# KiCad board data-center-rdimm-ddr5-tester.kicad_pcb (continued)
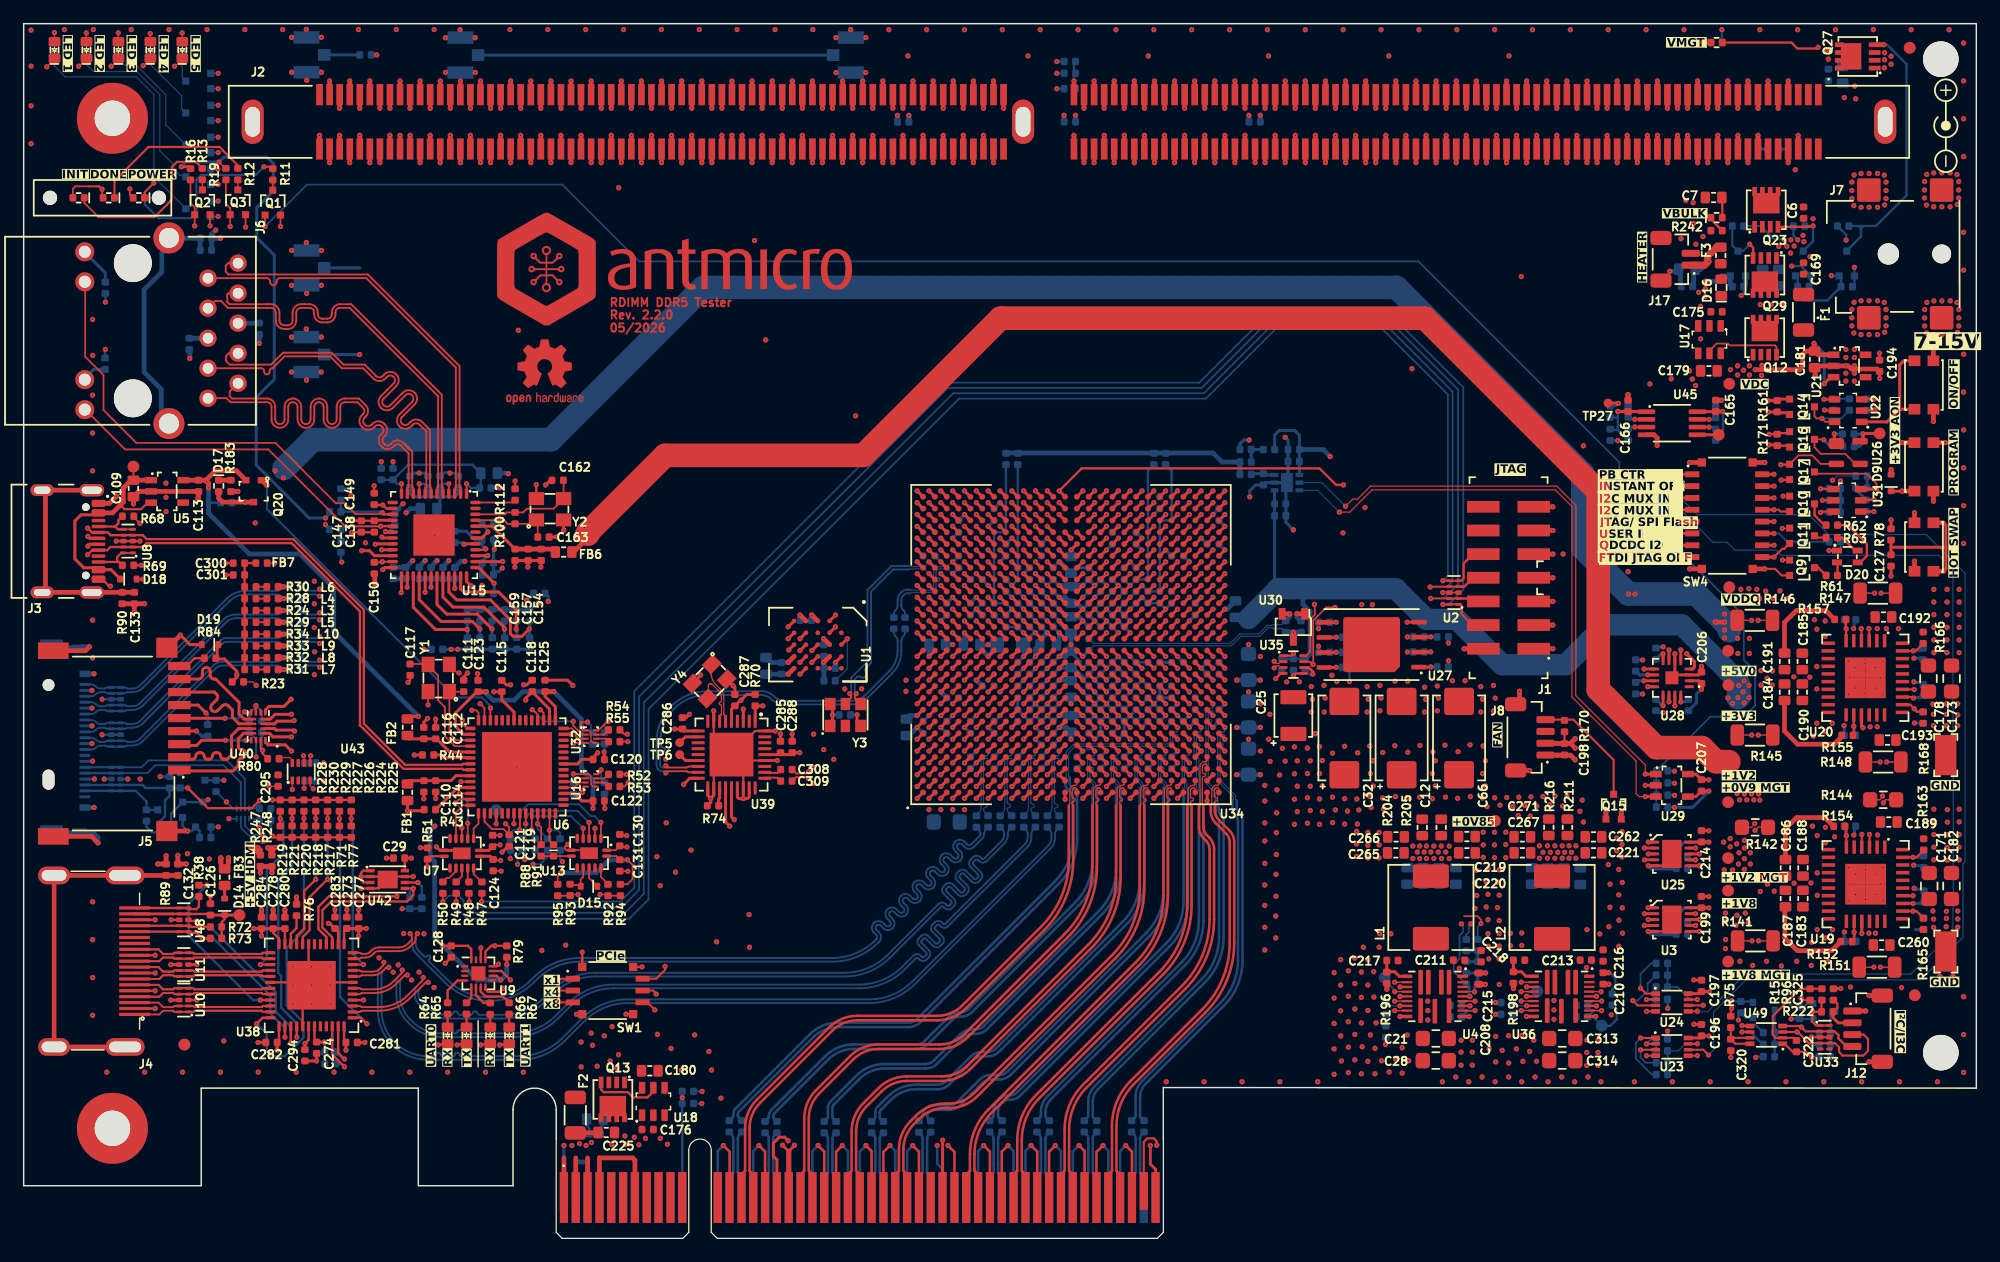
[diagram p0: board, top side]
## Routing (per net, layer and track width the routed paths; a pad name or vN(x,y) marks a point on that pad's centre or on a via; arc(x,y) is an arc through that point) (continued)
  Bottom w0.256: 42.75,50.78 42.75,52.16
/Ethernet/ETH.RXC: length 59.1
  Top w0.256: U15.35 36.93,54.9 37.18,54.65 40.12,54.65 41.62,53.15 v1(41.62,51.5) ; U34.B21 v1(76.5,58.2)
  In9.Cu w0.1: v1(76.5,58.2) 76.47,58.17 76.18,58.17 75.7,58.65 74.85,58.65 73.75,59.75 69.25,59.75 68.7,60.3 67.47,60.3 66.68,61.1 66.47,61.1 arc(66.3,61.03) 66.22,60.85 66.22,60.44 arc(66.15,60.26) 65.97,60.19 arc(65.8,60.26) 65.72,60.44 65.72,60.85 arc(65.65,61.03) 65.47,61.1 arc(65.3,61.03) 65.22,60.85 65.22,60.44 arc(65.15,60.26) 64.97,60.19 arc(64.8,60.26) 64.72,60.44 64.72,60.85 arc(64.65,61.03) 64.47,61.1 arc(64.3,61.03) 64.22,60.85 64.22,60.44 arc(64.15,60.26) 63.97,60.19 arc(63.8,60.26) 63.72,60.44 63.72,60.85 arc(63.65,61.03) 63.47,61.1 arc(63.3,61.03) 63.22,60.85 63.22,60.44 arc(63.15,60.26) 62.97,60.19 arc(62.8,60.26) 62.72,60.44 62.72,60.85 arc(62.65,61.03) 62.47,61.1 arc(62.3,61.03) 62.22,60.85 62.22,60.44 arc(62.15,60.26) 61.97,60.19 arc(61.8,60.26) 61.72,60.44 61.72,60.85 arc(61.65,61.03) 61.47,61.1 arc(61.3,61.03) 61.22,60.85 61.22,60.44 arc(61.15,60.26) 60.97,60.19 arc(60.8,60.26) 60.72,60.44 60.72,60.85 arc(60.65,61.03) 60.47,61.1 53.1,61.1 52.18,60.17 52.18,59.38 45,52.2 42.32,52.2 v1(41.62,51.5)
  Bottom w0.256: 41.65,52.19 41.68,52.16 41.68,50.78
/Ethernet/ETH.RXD0: length 56.9
  Top w0.256: v1(40.62,51.52) 40.62,51.62 38.88,53.37 36.28,53.37 35.43,54.22 U15.32 ; U34.A19 v1(75.5,56.2)
  In9.Cu w0.1: v1(75.5,56.2) 74.66,56.2 72.66,58.2 72.1,58.2 arc(71.92,58.13) 71.85,57.95 71.85,57.77 arc(71.78,57.59) 71.6,57.52 arc(71.42,57.59) 71.35,57.77 71.35,57.95 arc(71.28,58.13) 71.1,58.2 arc(70.92,58.13) 70.85,57.95 70.85,57.77 arc(70.78,57.59) 70.6,57.52 arc(70.42,57.59) 70.35,57.77 70.35,57.95 arc(70.28,58.13) 70.1,58.2 arc(69.92,58.13) 69.85,57.95 69.85,57.77 arc(69.78,57.59) 69.6,57.52 arc(69.42,57.59) 69.35,57.77 69.35,57.95 arc(69.28,58.13) 69.1,58.2 arc(68.92,58.13) 68.85,57.95 68.85,57.77 arc(68.78,57.59) 68.6,57.52 arc(68.42,57.59) 68.35,57.77 68.35,57.95 arc(68.28,58.13) 68.1,58.2 arc(67.92,58.13) 67.85,57.95 67.85,57.77 arc(67.78,57.59) 67.6,57.52 arc(67.42,57.59) 67.35,57.77 67.35,57.95 arc(67.28,58.13) 67.1,58.2 arc(66.92,58.13) 66.85,57.95 66.85,57.77 arc(66.78,57.59) 66.6,57.52 arc(66.42,57.59) 66.35,57.77 66.35,57.95 arc(66.28,58.13) 66.1,58.2 arc(65.92,58.13) 65.85,57.95 65.85,57.77 arc(65.78,57.59) 65.6,57.52 arc(65.42,57.59) 65.35,57.77 65.35,57.95 arc(65.28,58.13) 65.1,58.2 56.1,58.2 53.7,55.8 52.2,55.8 46.6,50.2 41,50.2 40.62,50.57 v1(40.62,51.52)
  Bottom w0.256: 40.65,50.78 40.62,50.81 40.62,52.19
/Ethernet/ETH.RXD1: length 56.4
  Top w0.256: U15.31 34.93,53.6 35.75,52.78 38.32,52.78 v1(39.57,51.52) ; U34.B17 v1(76.5,54.2)
  In9.Cu w0.1: v1(76.5,54.2) 76,54.7 74.4,54.7 72.87,56.23 64.29,56.23 arc(64.1,56.31) 64.01,56.5 64.01,56.52 arc(63.93,56.71) 63.74,56.79 arc(63.55,56.71) 63.47,56.52 63.47,56.5 arc(63.38,56.31) 63.19,56.23 arc(63,56.31) 62.91,56.5 62.91,56.52 arc(62.83,56.71) 62.64,56.79 arc(62.45,56.71) 62.37,56.52 62.37,56.5 arc(62.28,56.31) 62.09,56.23 arc(61.9,56.31) 61.81,56.5 61.81,56.52 arc(61.73,56.71) 61.54,56.79 arc(61.35,56.71) 61.26,56.52 61.26,56.5 arc(61.18,56.31) 60.99,56.23 arc(60.8,56.31) 60.72,56.5 60.72,56.52 arc(60.63,56.71) 60.44,56.79 arc(60.25,56.71) 60.16,56.52 60.16,56.5 arc(60.08,56.31) 59.89,56.23 arc(59.7,56.31) 59.62,56.5 59.62,56.52 arc(59.53,56.71) 59.34,56.79 arc(59.15,56.71) 59.06,56.52 59.06,56.5 arc(58.98,56.31) 58.79,56.23 arc(58.6,56.31) 58.51,56.5 58.51,56.52 arc(58.43,56.71) 58.24,56.79 arc(58.05,56.71) 57.97,56.52 57.97,56.5 arc(57.88,56.31) 57.69,56.23 57.48,56.23 55.05,53.8 52.7,53.8 48.1,49.2 40.5,49.2 39.57,50.12 v1(39.57,51.52)
  Bottom w0.256: 39.6,50.78 39.57,50.81 39.57,52.19
/Ethernet/ETH.RXD2: length 56.6
  Top w0.256: U34.C17 v1(77.5,54.2) ; v1(38.54,51.53) 37.91,52.16 35.27,52.16 33.43,54 U15.28
  In9.Cu w0.1: v1(38.54,51.53) 38.54,49.66 40,48.2 49.2,48.2 52.85,51.85 56.75,51.85 57.16,52.26 arc(57.25,52.3) 57.34,52.26 arc(57.42,52.22) 57.51,52.26 57.8,52.54 arc(57.83,52.63) 57.8,52.72 57.62,52.9 arc(57.58,52.98) 57.62,53.07 57.9,53.36 arc(57.99,53.39) 58.08,53.36 58.26,53.18 arc(58.34,53.14) 58.43,53.18 58.71,53.46 arc(58.75,53.55) 58.71,53.64 58.54,53.81 arc(58.5,53.9) 58.54,53.99 58.82,54.28 arc(58.91,54.31) 59,54.28 arc(59.09,54.24) 59.18,54.27 59.79,54.89 72.21,54.89 73.42,53.68 76.98,53.68 v1(77.5,54.2)
  Bottom w0.256: 38.55,52.19 38.55,50.78
/Ethernet/ETH.RXD3: length 54.4
  Top w0.256: v1(37.47,51.47) 37.47,51.48 34.8,51.48 32.93,53.35 U15.27 ; U34.A15 v1(75.5,52.2)
  In9.Cu w0.1: v1(75.5,52.2) 74.99,52.2 74.83,52.04 72.8,52.04 71.32,53.52 61.32,53.52 57.7,49.9 53,49.9 50.3,47.2 39.57,47.2 37.47,49.3 v1(37.47,51.47)
  Bottom w0.256: 37.5,52.19 37.5,50.78
/Ethernet/ETH.TX_CTL: length 71.4
  Top w0.256: U34.D21 v1(78.5,58.2) ; U15.25 31.93,54.63 v1(31.9,54.6)
  In9.Cu w0.1: v1(31.9,54.6) 31.9,55.77 32.53,56.4 32.62,56.4 arc(32.78,56.33) 32.85,56.17 32.85,55.92 arc(32.92,55.77) 33.07,55.7 arc(33.23,55.77) 33.3,55.92 33.3,56.17 arc(33.37,56.33) 33.53,56.4 arc(33.68,56.33) 33.75,56.17 33.75,55.92 arc(33.82,55.77) 33.97,55.7 arc(34.13,55.77) 34.2,55.92 34.2,56.17 arc(34.27,56.33) 34.43,56.4 arc(34.58,56.33) 34.65,56.17 34.65,55.92 arc(34.72,55.77) 34.88,55.7 arc(35.03,55.77) 35.1,55.92 35.1,56.17 arc(35.17,56.33) 35.32,56.4 arc(35.48,56.33) 35.55,56.17 35.55,55.92 arc(35.62,55.77) 35.78,55.7 arc(35.93,55.77) 36,55.92 36,56.17 arc(36.07,56.33) 36.22,56.4 36.35,56.4 37.15,55.6 37.15,54.7 37.65,54.2 41.8,54.2 42.05,54.45 46.25,54.45 51.43,59.62 51.43,60.85 52.6,62.02 52.88,62.02 arc(53.01,62.08) 53.06,62.21 arc(53.12,62.35) 53.25,62.4 53.49,62.4 arc(53.62,62.35) 53.68,62.21 53.68,61.84 arc(53.73,61.7) 53.86,61.65 54.09,61.65 arc(54.22,61.7) 54.28,61.84 54.28,62.21 arc(54.33,62.35) 54.46,62.4 54.69,62.4 arc(54.82,62.35) 54.88,62.21 54.88,61.84 arc(54.93,61.7) 55.06,61.65 55.29,61.65 arc(55.42,61.7) 55.47,61.84 55.47,62.21 arc(55.53,62.35) 55.66,62.4 55.89,62.4 arc(56.02,62.35) 56.07,62.21 56.07,61.84 arc(56.13,61.7) 56.26,61.65 56.49,61.65 arc(56.62,61.7) 56.68,61.84 56.68,62.21 arc(56.73,62.35) 56.86,62.4 57.09,62.4 arc(57.22,62.35) 57.28,62.21 57.28,61.84 arc(57.33,61.7) 57.46,61.65 57.69,61.65 arc(57.82,61.7) 57.88,61.84 57.88,62.21 arc(57.93,62.35) 58.06,62.4 58.29,62.4 arc(58.42,62.35) 58.47,62.21 58.47,61.84 arc(58.53,61.7) 58.66,61.65 58.89,61.65 arc(59.02,61.7) 59.07,61.84 59.07,62.21 arc(59.13,62.35) 59.26,62.4 59.49,62.4 arc(59.62,62.35) 59.68,62.21 59.68,61.84 arc(59.73,61.7) 59.86,61.65 60.09,61.65 arc(60.22,61.7) 60.28,61.84 60.28,62.21 arc(60.33,62.35) 60.46,62.4 60.69,62.4 arc(60.82,62.35) 60.88,62.21 60.88,61.84 arc(60.93,61.7) 61.06,61.65 61.29,61.65 arc(61.42,61.7) 61.47,61.84 61.47,62.21 arc(61.53,62.35) 61.66,62.4 61.89,62.4 arc(62.02,62.35) 62.07,62.21 62.07,61.84 arc(62.13,61.7) 62.26,61.65 62.49,61.65 arc(62.62,61.7) 62.68,61.84 62.68,62.21 arc(62.73,62.35) 62.86,62.4 63.09,62.4 arc(63.22,62.35) 63.28,62.21 arc(63.33,62.08) 63.46,62.02 67.22,62.02 68.25,61 68.9,61 69.65,60.25 73.95,60.25 74.5,59.7 75.75,59.7 76,59.45 76,58.92 76.28,58.65 77.71,58.65 78.16,58.2 v1(78.5,58.2)
/Ethernet/ETH.TXC: length 71.3
  Top w0.256: v1(30.35,56.55) 30.5,56.7 31.24,56.7 ; U34.E21 v1(79.5,58.2)
  In9.Cu w0.1: v1(79.5,58.2) 78.98,58.72 78.33,58.72 78,59.05 78,62.38 77.72,62.65 77.38,62.65 76.97,63.05 76.97,63.47 76.75,63.7 72,63.7 67.85,67.85 63.12,67.85 arc(62.82,67.97) 62.7,68.27 62.7,68.39 arc(62.58,68.69) 62.28,68.82 arc(61.97,68.69) 61.85,68.39 61.85,68.27 arc(61.73,67.97) 61.43,67.85 arc(61.12,67.97) 61,68.27 61,68.39 arc(60.88,68.69) 60.57,68.82 arc(60.27,68.69) 60.15,68.39 60.15,68.27 arc(60.03,67.97) 59.72,67.85 arc(59.42,67.97) 59.3,68.27 59.3,68.39 arc(59.18,68.69) 58.88,68.82 arc(58.57,68.69) 58.45,68.39 58.45,68.27 arc(58.33,67.97) 58.03,67.85 arc(57.72,67.97) 57.6,68.27 57.6,68.39 arc(57.48,68.69) 57.18,68.82 arc(56.87,68.69) 56.75,68.39 56.75,68.27 arc(56.63,67.97) 56.32,67.85 arc(56.02,67.97) 55.9,68.27 55.9,68.39 arc(55.78,68.69) 55.47,68.82 arc(55.17,68.69) 55.05,68.39 55.05,68.27 arc(54.93,67.97) 54.62,67.85 arc(54.32,67.97) 54.2,68.27 54.2,68.39 arc(54.08,68.69) 53.78,68.82 arc(53.47,68.69) 53.35,68.39 53.35,68.27 arc(53.23,67.97) 52.93,67.85 arc(52.62,67.97) 52.5,68.27 52.5,68.39 arc(52.38,68.69) 52.07,68.82 arc(51.77,68.69) 51.65,68.39 51.65,68.27 arc(51.53,67.97) 51.22,67.85 arc(50.92,67.97) 50.8,68.27 50.8,68.39 arc(50.68,68.69) 50.38,68.82 arc(50.07,68.69) 49.95,68.39 49.95,68.27 arc(49.83,67.97) 49.53,67.85 49.2,67.85 42.55,61.2 35.94,61.2 31.29,56.55 v1(30.35,56.55)
/Ethernet/ETH.TXD0: length 64.8
  Top w0.15: v1(30.28,59.29) 30.28,59.26 30.34,59.2
  Top w0.256: U15.19 30.36,59.22 v1(30.28,59.29) ; U34.B15 v1(76.5,52.2)
  In9.Cu w0.1: v1(76.5,52.2) 76,52.7 73.32,52.7 71.82,54.2 60.7,54.2 57.4,50.9 53,50.9 49.8,47.7 39.8,47.7 38,49.5 38,51.7 37.7,52 30.35,52 27.9,54.45 27.9,58.73 28.46,59.29 v1(30.28,59.29)
/Ethernet/ETH.TXD1: length 65
  Top w0.15: 29.74,58.7 v1(29.72,58.68)
  Top w0.256: U15.20 29.75,58.72 v1(29.72,58.68) ; U34.A18 v1(75.5,55.2)
  In9.Cu w0.1: v1(75.5,55.2) 74.74,55.2 72.96,56.98 64.93,56.98 64.41,57.5 57.05,57.5 56.95,57.4 arc(56.76,57.32) 56.56,57.4 56.47,57.49 arc(56.27,57.57) 56.08,57.49 arc(56,57.3) 56.08,57.1 56.65,56.53 arc(56.73,56.33) 56.65,56.14 arc(56.46,56.06) 56.27,56.14 55.69,56.72 arc(55.5,56.8) 55.3,56.72 arc(55.22,56.52) 55.3,56.33 55.88,55.75 arc(55.96,55.56) 55.88,55.36 arc(55.68,55.28) 55.49,55.36 54.91,55.94 arc(54.72,56.02) 54.52,55.94 arc(54.44,55.74) 54.52,55.55 54.62,55.46 arc(54.7,55.26) 54.62,55.07 54.3,54.75 52.55,54.75 47.5,49.7 40.75,49.7 40.1,50.35 40.1,52.12 39.12,53.1 31.4,53.1 29.25,55.25 29.25,58.22 v1(29.72,58.68)
/Ethernet/ETH.TXD2: length 67.5
  Top w0.256: U34.A20 v1(75.5,57.2) ; v1(30.25,58.22) U15.21
  In9.Cu w0.1: v1(75.5,57.2) 74.6,57.2 73.05,58.75 68.4,58.75 68.25,58.9 55.22,58.9 55.15,58.82 arc(55.1,58.7) 55.15,58.58 arc(55.2,58.46) 55.15,58.33 55.15,58.33 arc(55.03,58.28) 54.9,58.33 54.66,58.58 arc(54.53,58.63) 54.41,58.58 54.41,58.58 arc(54.36,58.45) 54.41,58.33 54.65,58.08 arc(54.71,57.96) 54.65,57.84 arc(54.53,57.78) 54.41,57.84 54.16,58.08 arc(54.04,58.13) 53.91,58.08 53.91,58.08 arc(53.86,57.96) 53.91,57.83 54.16,57.59 arc(54.21,57.46) 54.16,57.34 54.16,57.34 arc(54.04,57.29) 53.91,57.34 53.67,57.59 arc(53.54,57.64) 53.42,57.59 53.42,57.59 arc(53.37,57.46) 53.42,57.34 arc(53.47,57.22) 53.42,57.09 53.18,56.85 51.95,56.85 45.8,50.7 45.53,50.7 arc(45.38,50.76) 45.32,50.9 arc(45.27,51.04) 45.12,51.1 45.03,51.1 arc(44.88,51.04) 44.82,50.9 arc(44.77,50.76) 44.62,50.7 44.53,50.7 arc(44.38,50.76) 44.32,50.9 arc(44.27,51.04) 44.12,51.1 44.03,51.1 arc(43.88,51.04) 43.82,50.9 arc(43.77,50.76) 43.62,50.7 43.53,50.7 arc(43.38,50.76) 43.32,50.9 arc(43.27,51.04) 43.12,51.1 43.03,51.1 arc(42.88,51.04) 42.82,50.9 arc(42.77,50.76) 42.62,50.7 42.53,50.7 arc(42.38,50.76) 42.32,50.9 arc(42.27,51.04) 42.12,51.1 42.03,51.1 arc(41.88,51.04) 41.82,50.9 arc(41.77,50.76) 41.62,50.7 41.5,50.7 41.15,51.05 41.15,52.42 41.4,52.67 42.25,52.67 42.56,52.99 42.56,53.29 42.15,53.7 41.88,53.7 arc(41.73,53.64) 41.68,53.5 41.68,53.3 arc(41.62,53.16) 41.47,53.1 arc(41.33,53.16) 41.28,53.3 41.28,53.5 arc(41.22,53.64) 41.07,53.7 arc(40.93,53.64) 40.88,53.5 40.88,53.3 arc(40.82,53.16) 40.68,53.1 arc(40.53,53.16) 40.47,53.3 40.47,53.5 arc(40.42,53.64) 40.28,53.7 arc(40.13,53.64) 40.07,53.5 40.07,53.3 arc(40.02,53.16) 39.88,53.1 arc(39.73,53.16) 39.68,53.3 39.68,53.5 arc(39.62,53.64) 39.47,53.7 31.85,53.7 29.87,55.68 29.87,57.84 v1(30.25,58.22)
/Ethernet/ETH.TXD3: length 65.1
  Top w0.256: U34.A17 v1(75.5,54.2) ; v1(28.56,58.14) 29.22,58.14 29.64,57.72 U15.22
  In9.Cu w0.1: v1(28.56,58.14) 28.56,54.81 30.82,52.55 38.68,52.55 39.1,52.12 39.1,49.85 40.25,48.7 48.6,48.7 52.7,52.8 55.7,52.8 56.12,53.22 arc(56.3,53.3) 56.48,53.22 56.5,53.2 arc(56.68,53.12) 56.86,53.2 arc(56.93,53.37) 56.86,53.55 56.45,53.96 arc(56.38,54.13) 56.45,54.31 arc(56.63,54.38) 56.8,54.31 57.21,53.9 arc(57.39,53.83) 57.56,53.9 arc(57.64,54.08) 57.56,54.26 57.16,54.66 arc(57.08,54.84) 57.16,55.02 arc(57.33,55.09) 57.51,55.02 57.92,54.61 arc(58.09,54.54) 58.27,54.61 arc(58.34,54.79) 58.27,54.96 58.25,54.99 arc(58.17,55.17) 58.25,55.34 58.45,55.55 72.61,55.55 73.96,54.2 v1(75.5,54.2)
/Ethernet/ETH.~{INT}: length 49.4
  Top w0.256: U34.A25 v1(75.5,62.2) ; U15.38 40.46,57.22 v1(40.47,57.23)
  In9.Cu w0.1: v1(40.47,57.23) 41.33,57.23 41.93,57.82 arc(42.15,57.92) 42.38,57.82 42.89,57.32 arc(43.12,57.22) 43.35,57.32 arc(43.45,57.55) 43.35,57.78 42.84,58.28 arc(42.75,58.51) 42.84,58.74 arc(43.07,58.84) 43.3,58.74 44.52,57.53 arc(44.75,57.43) 44.98,57.53 arc(45.07,57.76) 44.98,57.99 43.76,59.2 arc(43.67,59.43) 43.76,59.66 44.31,60.21 49.88,65.77 67.82,65.77 71.4,62.2 v1(75.5,62.2)
/Ethernet/ETH.~{RESET}: length 50.6
  Top w0.256: U15.42 38.71,59.22 v1(39.22,59.73) ; U34.C23 v1(77.5,60.2)
  In9.Cu w0.1: v1(77.5,60.2) 77,60.7 77,62.45 76.75,62.7 75,62.7 74.8,62.9 71.7,62.9 67.8,66.8 49.47,66.8 42.25,59.57 41.62,59.57 arc(41.4,59.48) 41.3,59.25 41.3,58.27 arc(41.2,58.04) 40.97,57.94 arc(40.75,58.04) 40.65,58.27 40.65,59.25 arc(40.55,59.48) 40.32,59.57 40,59.57 39.85,59.73 v1(39.22,59.73)
  Bottom w0.2: v1(39.22,59.73) 39.22,59.85 38.71,60.37 38.71,60.4
/Ethernet/LED_LINK: length 34.6
  Top w0.15: 5.16,70.1 5.18,70.1 8.57,66.7 20.67,66.7 27.19,60.19 30.14,60.19 v1(30.16,60.21)
  Top w0.2: v1(30.16,60.21) 30.17,60.21 31.25,60.21
  Bottom w0.2: v1(30.16,60.21) 30.15,60.21 27.09,60.21 26.81,59.94 26.81,58.98
/Ethernet/LED_SPD: length 44.2
  Top w0.15: 5.16,80.84 5.19,80.8 5.19,74.54 6.75,72.99 6.75,70.03 9.52,67.25 21.28,67.25 26.38,62.15 27.12,62.15 28.04,61.24 30.2,61.24 v1(30.31,61.34)
  Top w0.2: 31.25,61.21 30.44,61.21 v1(30.31,61.34)
  Bottom w0.2: 26.81,62.41 26.81,61.44 ; v1(30.31,61.34) 30.21,61.44 26.81,61.44
/FPGA banks HD/FPGA_DDR.SCL: length 148.1
  Top w0.177: v1(142.41,69.24) 142.4,69.24 141.43,69.24 ; U24.1 137.08,20.69 v1(136.62,21.15)
  Top w0.256: U34.W15 v1(94.5,52.2)
  In4.Cu w0.1: v1(136.62,21.15) 136.58,21.2 136.58,38.25 134.25,40.57 134.25,54.52 139.76,60.03 148.07,60.03 148.44,59.65 148.76,59.65 150.93,61.82 157.89,61.82 159.13,63.06 159.13,67.43 158.91,67.65 152.51,67.65 152.27,67.89 150.34,67.89 147.86,70.37 143.05,70.37 142.41,69.73 v1(142.41,69.24) 138.91,69.24 137.88,68.2 134.26,68.2 122.31,56.25 119.35,56.25 117.3,54.2 108.5,54.2 108.1,53.8 103.97,53.8 102,51.82 94.88,51.82 v1(94.5,52.2)
  Bottom w0.15: 137.94,23.25 137.52,23.25 136.62,22.35 v1(136.62,21.15)
  Bottom w0.198: v1(142.41,69.24) 142.85,69.24 142.97,69.36
/FPGA banks HD/FPGA_DDR.SDA: length 122.8
  Top w0.177: U45.6 142.4,68.59 v1(142.41,68.58) ; v1(136.63,16.94) 136.64,16.94 U23.1
  Top w0.256: U34.W14 v1(94.5,51.2)
  In4.Cu w0.1: v1(94.5,51.2) 94.87,51.57 102.12,51.57 104.15,53.6 108.3,53.6 108.68,53.97 111.38,53.97 112.15,53.2 120.05,53.2 120.3,53.45 120.3,53.71 134.53,67.94 138.15,67.94 139.12,68.91 142.09,68.91 v1(142.41,68.58) 141.96,68.13 140.18,68.13 133.55,61.5 133.55,40.29 136.25,37.59 136.25,21 136.6,20.65 137.35,20.65 137.6,20.4 137.6,17.91 v1(136.63,16.94)
  Bottom w0.15: v1(136.63,16.94) 136.23,16.54 136.23,15.2 137.57,13.85 137.94,13.85
  Bottom w0.198: 142.97,68.43 142.81,68.58 v1(142.41,68.58)
/FPGA banks HD/FPGA_I3C.SCL: length 113.5
  Top w0.182: v1(145.2,17.45) 145.2,17.45 U49.6
  Top w0.256: U34.F12 v1(80.5,48.2)
  In2.Cu w0.1: v1(80.5,48.2) 81,47.7 81,40.17 80.53,39.7 73.5,39.7 71,37.2 71,28.2 73,26.2 83.5,26.2 93,16.7 111.6,16.7 111.66,16.76 119.88,16.76 120.38,16.27 123.02,16.27 123.19,16.45 126.9,16.45 127.16,16.19 134.51,16.19 136,14.7 142.9,14.7 145.2,17 v1(145.2,17.45)
  Bottom w0.182: 145.25,17.4 v1(145.2,17.45) 145.9,17.45 146.95,16.4 R97.1
/FPGA banks HD/FPGA_I3C.SDA: length 114
  Top w0.182: v1(145.2,18) 145.25,17.95 U49.5
  Top w0.256: U34.G12 v1(81.5,48.2)
  In2.Cu w0.1: v1(145.2,18) 144.83,18 144.18,17.35 144.18,16.57 142.66,15.06 136.34,15.06 134.1,17.3 127.5,17.3 126.9,16.69 123.5,16.69 122.97,17.22 117.47,17.22 117,17.7 93,17.7 84,26.7 73,26.7 71.5,28.2 71.5,36.7 73.5,38.7 81.53,38.7 82,39.17 82,47.7 v1(81.5,48.2)
  Bottom w0.182: R231.1 146.4,18 v1(145.2,18)
/FPGA banks HD/HDMI_IN_I2C.SCL: length 75.4
  Top w0.256: U34.H12 v1(82.5,48.2)
  In9.Cu w0.1: v1(20.22,33.57) 22.08,33.57 22.45,33.2 27.9,33.2 36.2,41.5 37.7,41.5 41.03,44.82 42.05,44.82 42.35,45.13 50.54,45.13 52.51,47.1 63,47.1 63.55,46.55 67.78,46.55 70.97,49.75 78.65,49.75 79,49.4 79,48 79.3,47.7 82,47.7 v1(82.5,48.2)
  Bottom w0.15: U44.3 18.35,34.72 19.5,33.57 v1(20.22,33.57)
/FPGA banks HD/HDMI_IN_I2C.SDA: length 76.5
  Top w0.256: U34.J12 v1(83.5,48.2)
  In9.Cu w0.1: v1(83.5,48.2) 83.1,48.6 80.3,48.6 80,48.9 80,49.57 79,50.57 71.15,50.57 67.38,46.8 63.8,46.8 62.6,48 53.13,48 50.97,45.84 44.64,45.84 44.56,45.92 41.72,45.92 37.6,41.8 36,41.8 27.7,33.5 22.67,33.5 21.7,34.47 20.55,34.47 v1(20.2,34.12)
  Bottom w0.15: v1(20.2,34.12) 19.45,34.12 18.7,34.88 U44.2
/FPGA banks HD/HDMI_OUT_I2C.SCL: length 83.3
  Top w0.201: U38.46 26.08,15.54 v1(27.11,14.51)
  Top w0.256: U34.H13 v1(82.5,49.2)
  In9.Cu w0.1: v1(82.5,49.2) 82.88,49.58 83.66,49.58 84.1,49.13 84.1,46.27 83.41,45.57 81.34,45.57 81,45.23 81,40 80.7,39.7 74.5,39.7 68.5,33.7 65.5,33.7 57.5,25.7 41.3,25.7 30.21,14.61 27.11,14.61
  Bottom w0.201: R236.1 26.85,14.76 v1(27.11,14.51)
/FPGA banks HD/HDMI_OUT_I2C.SDA: length 80
  Top w0.201: U38.47 26.58,15.69 v1(27.11,15.16)
  Top w0.256: U34.J13 v1(83.5,49.2)
  In9.Cu w0.1: 27.11,15.26 30.06,15.26 39.2,24.4 39.2,24.9 40.5,26.2 57,26.2 65,34.2 68,34.2 74.5,40.7 79.6,40.7 80,41.1 80,46.23 80.58,46.81 82.81,46.81 82.95,46.95 82.95,47.35 83.3,47.7 83.7,47.7 83.9,47.9 83.9,48.45 83.5,48.85 v1(83.5,49.2)
  Bottom w0.201: v1(27.11,15.16) 27,15.16 R237.1
/FPGA banks HD/USR_LED1: length 86.6
  Top w0.256: U34.J9 v1(83.5,45.2)
  In6.Cu w0.1: v1(83.5,45.2) 83,45.7 82.4,45.7 82,46.1 82,46.45 81.75,46.7 81.25,46.7 81,46.95 81,47.45 80.75,47.7 75.47,47.7 68.97,54.2 55.05,54.2 21.55,87.7 16.43,87.7
  Bottom w0.15: 15.7,87.7 v1(16.44,87.7)
/FPGA banks HD/USR_LED2: length 87.6
  Top w0.256: U34.J10 v1(83.5,46.2)
  In6.Cu w0.1: v1(83.5,46.2) 83,46.7 82.3,46.7 82,47 82,48.45 81.75,48.7 75.47,48.7 69.47,54.7 55.64,54.7 22.14,88.2 18.63,88.2 16.43,90.4
  Bottom w0.15: 15.7,90.4 v1(16.4,90.4)
/FPGA banks HD/USR_LED3: length 89.6
  Top w0.256: U34.J11 v1(83.5,47.2)
  In6.Cu w0.1: v1(83.5,47.2) 83,47.7 83,49.23 82.53,49.7 75.5,49.7 70,55.2 56.22,55.2 22.72,88.7 19,88.7 16.9,90.8 16.9,92.87 16.67,93.1 16.43,93.1
  Bottom w0.15: 15.7,93.1 v1(16.44,93.1)
/FPGA banks HD/USR_LED4: length 94.9
  Top w0.256: U34.K9 v1(84.5,45.2)
  In6.Cu w0.1: 16.43,95.8 17.2,95.03 17.2,91.5 19.5,89.2 23.25,89.2 56.75,55.7 70.47,55.7 75.47,50.7 83,50.7 83.88,49.82 83.88,45.82 v1(84.5,45.2)
  Bottom w0.15: 15.7,95.8 v1(16.44,95.8)
/FPGA banks HD/USR_LED5: length 97.5
  Top w0.256: U34.K10 v1(84.5,46.2)
  In6.Cu w0.1: v1(84.5,46.2) 84.1,46.6 84.1,51.35 83.75,51.7 75.47,51.7 70.97,56.2 57.32,56.2 23.83,89.7 20,89.7 17.5,92.2 17.5,98.2 17.2,98.5 16.43,98.5
  Bottom w0.15: 15.7,98.5 v1(16.44,98.5)
/FPGA banks HP/GCLK_100_LVDS+: length 17.5
  Top w0.1: Y3.4 70.72,45.24
  Top w0.16: Y3.4 70.24,45.66 70.24,45.93 v1(70.35,46.05)
  Top w0.256: U34.B19 v1(76.5,56.2)
  Bottom w0.1: 74.83,56.53 74.9,56.6 76.1,56.6 v1(76.5,56.2)
  Bottom w0.16: v1(70.35,46.05) 70.24,46.17 70.24,47.27 70.42,47.45 arc(70.58,47.52) 70.74,47.45 arc(70.89,47.39) 71.05,47.45 71.16,47.56 arc(71.23,47.72) 71.16,47.88 arc(71.1,48.03) 71.16,48.19 71.6,48.64 71.6,54.69 73.47,56.55 74.81,56.55
/FPGA banks HP/GCLK_100_LVDS-: length 17.5
  Top w0.1: Y3.5 69.44,45.24
  Top w0.16: Y3.5 69.44,45.21 69.92,45.7 69.92,45.93 v1(69.81,46.05)
  Top w0.256: U34.B20 v1(76.5,57.2)
  Bottom w0.1: v1(76.5,57.2) 76.5,57.17 76.12,56.8 74.87,56.8 74.82,56.85
  Bottom w0.16: 74.82,56.85 73.33,56.85 71.29,54.81 71.29,48.76 69.92,47.39 69.92,46.17 v1(69.81,46.05)
/FPGA banks HP/HyperRAM.CK_N: length 27.6
  Top w0.256: U34.E17 v1(79.5,54.2) ; U1.B1 v1(68.6,52.7)
  In4.Cu w0.1: v1(79.5,54.2) 79.5,53.9 79.4,53.8 79.29,53.8 79.1,53.99 79.1,55.49 78.79,55.8 74.99,55.8 74.2,56.59 65.96,56.59 65,55.63 65,54.25 65.57,53.68 65.96,53.68 arc(66.35,53.84) 66.51,54.23 66.51,54.33 arc(66.61,54.57) 66.86,54.68 66.86,54.68 arc(67.11,54.57) 67.21,54.33 67.21,54.23 arc(67.37,53.84) 67.76,53.68 68.6,53.68 69.17,53.11 69.17,52.46 69.01,52.3 68.7,52.3 68.6,52.4 v1(68.6,52.7)
/FPGA banks HP/HyperRAM.CK_P: length 27.6
  Top w0.256: U34.E16 v1(79.5,53.2) ; U1.B2 v1(68.6,51.7)
  In4.Cu w0.1: v1(79.5,53.2) 79.5,53.55 79.45,53.6 79.21,53.6 78.9,53.91 78.9,55.41 78.71,55.6 74.91,55.6 74.12,56.39 66.04,56.39 65.2,55.55 65.2,54.33 65.65,53.88 65.96,53.88 arc(66.21,53.98) 66.31,54.23 66.31,54.33 arc(66.47,54.72) 66.86,54.88 66.86,54.88 arc(67.25,54.72) 67.41,54.33 67.41,54.23 arc(67.51,53.98) 67.76,53.88 68.68,53.88 69.37,53.19 69.37,52.38 69.09,52.1 68.65,52.1 68.6,52.05 v1(68.6,51.7)
/FPGA banks HP/HyperRAM.DQ0: length 30.5
  Top w0.256: U34.H16 v1(82.5,53.2) ; U1.D3 v1(65.6,49.7)
  In4.Cu w0.1: v1(82.5,53.2) 83.02,52.68 83.02,50.75 81.97,49.7 81.28,49.7 81.05,49.47 81.05,49.06 80.69,48.7 80.33,48.7 80,48.37 80,47.97 79.74,47.71 74.13,47.71 73.26,46.84 68.65,46.84 67.55,45.74 64.96,45.74 63.5,47.2 63.5,48.3 64.4,49.2 64.76,49.2 65.26,49.7 v1(65.6,49.7)
/FPGA banks HP/HyperRAM.DQ1: length 26.4
  Top w0.256: U34.C16 v1(77.5,53.2) ; U1.D2 v1(65.6,50.7)
  In4.Cu w0.1: v1(65.6,50.7) 65.6,50.79 arc(65.68,50.98) 65.88,51.06 65.95,51.06 arc(66.11,51) 66.18,50.84 arc(66.24,50.68) 66.4,50.61 arc(66.56,50.68) 66.62,50.84 arc(66.69,51) 66.85,51.06 66.88,51.06 arc(67.07,51.15) 67.15,51.34 arc(67.09,51.51) 66.93,51.61 65.77,51.61 65.68,51.7 65.68,52.12 65.79,52.23 67.36,52.23 67.58,52.01 67.58,51.43 68.12,50.88 68.12,50.27 68.26,50.14 68.26,50.14 70.37,50.14 71.01,50.78 71.01,53.55 70.09,54.47 70.09,54.88 70.2,54.99 73.1,54.99 75.35,52.74 77.39,52.74 77.5,52.85 v1(77.5,53.2)
/FPGA banks HP/HyperRAM.DQ2: length 27.5
  Top w0.256: U34.E15 v1(79.5,52.2) ; U1.C4 v1(66.6,48.7)
  In4.Cu w0.1: v1(66.6,48.7) 66.9,48.7 67.4,49.2 70.97,49.2 72.03,50.26 72.03,50.66 arc(72.08,50.78) 72.21,50.83 74.16,50.83 arc(74.28,50.89) 74.33,51.01 arc(74.28,51.13) 74.16,51.19 72.21,51.19 arc(72.08,51.24) 72.03,51.36 arc(72.08,51.48) 72.21,51.53 74.16,51.53 arc(74.28,51.59) 74.33,51.71 arc(74.28,51.83) 74.16,51.88 72.21,51.88 arc(72.08,51.94) 72.03,52.06 72.03,52.15 arc(72.04,52.19) 72.06,52.22 72.2,52.36 arc(72.23,52.38) 72.27,52.39 74.21,52.39 arc(74.35,52.36) 74.47,52.28 74.68,52.07 arc(74.7,52.04) 74.71,52 74.71,51.24 arc(74.72,51.2) 74.74,51.17 75.1,50.81 arc(75.13,50.79) 75.17,50.78 77.78,50.78 78,51 78,51.35 78.35,51.7 79.01,51.7 79.5,52.19 v1(79.5,52.2)
/FPGA banks HP/HyperRAM.DQ3: length 27.2
  Top w0.256: U34.D15 v1(78.5,52.2) ; U1.D4 v1(65.6,48.7)
  In4.Cu w0.1: v1(78.5,52.2) 78.15,52.2 77.67,51.72 75.31,51.72 75.01,52.02 75.01,52.39 72.84,54.56 72.16,54.56 arc(72,54.49) 71.94,54.33 71.94,54.23 arc(71.87,54.08) 71.71,54.01 arc(71.55,54.08) 71.49,54.23 71.49,54.33 arc(71.42,54.49) 71.26,54.56 71.15,54.56 71.01,54.42 71.01,54.1 71.54,53.57 arc(71.61,53.39) 71.79,53.32 72.08,53.32 arc(72.24,53.39) 72.31,53.54 72.31,54 arc(72.37,54.16) 72.53,54.22 arc(72.69,54.16) 72.75,54 72.75,53.54 arc(72.82,53.39) 72.98,53.32 73.34,53.32 arc(73.52,53.25) 73.59,53.07 arc(73.52,52.89) 73.34,52.82 71.79,52.82 arc(71.61,52.75) 71.54,52.57 71.54,50.55 70.68,49.69 67.29,49.69 66.8,49.2 66.38,49.2 65.88,48.7 v1(65.6,48.7)
/FPGA banks HP/HyperRAM.DQ4: length 30.2
  Top w0.256: U1.D5 v1(65.6,47.7) ; U34.G16 v1(81.5,53.2)
  In4.Cu w0.1: v1(81.5,53.2) 81.89,53.2 82.03,53.06 82.03,52.83 81.88,52.68 81.19,52.68 81,52.49 81,50.97 80.76,50.73 80.33,50.73 79.97,50.37 arc(79.88,50.33) 79.79,50.37 arc(79.7,50.41) 79.62,50.37 79.51,50.26 arc(79.47,50.18) 79.51,50.09 arc(79.55,50) 79.51,49.91 79.27,49.67 78.15,49.67 arc(78.03,49.72) 77.97,49.84 77.97,49.97 arc(77.92,50.09) 77.8,50.14 arc(77.68,50.09) 77.62,49.97 77.62,49.84 arc(77.57,49.72) 77.45,49.67 arc(77.33,49.72) 77.28,49.84 77.28,49.97 arc(77.22,50.09) 77.1,50.14 arc(76.98,50.09) 76.93,49.97 76.93,49.84 arc(76.87,49.72) 76.75,49.67 arc(76.63,49.72) 76.57,49.84 76.57,49.97 arc(76.52,50.09) 76.4,50.14 arc(76.28,50.09) 76.22,49.97 76.22,49.84 arc(76.17,49.72) 76.05,49.67 arc(75.93,49.72) 75.88,49.84 75.88,49.97 arc(75.82,50.09) 75.7,50.14 arc(75.58,50.09) 75.53,49.97 75.53,49.84 arc(75.47,49.72) 75.35,49.67 75.28,49.67 74.32,48.71 73.34,48.71 72.4,47.77 68.43,47.77 arc(68.05,47.85) 67.73,48.06 67.6,48.19 arc(67.37,48.28) 67.14,48.19 arc(67.05,47.96) 67.14,47.73 67.32,47.55 arc(67.42,47.32) 67.32,47.09 67.07,46.84 arc(67,46.8) 66.93,46.78 66.91,46.78 arc(66.72,46.86) 66.63,47.05 66.63,47.95 arc(66.55,48.15) 66.36,48.23 arc(66.17,48.15) 66.09,47.95 66.09,47.05 arc(66,46.86) 65.81,46.78 65.56,46.78 arc(65.49,46.8) 65.42,46.84 65.16,47.1 arc(65.12,47.17) 65.1,47.24 65.1,47.42 arc(65.12,47.49) 65.16,47.56 65.24,47.64 arc(65.31,47.68) 65.38,47.7 v1(65.6,47.7)
